# KiCad board ilwol.kicad_pcb
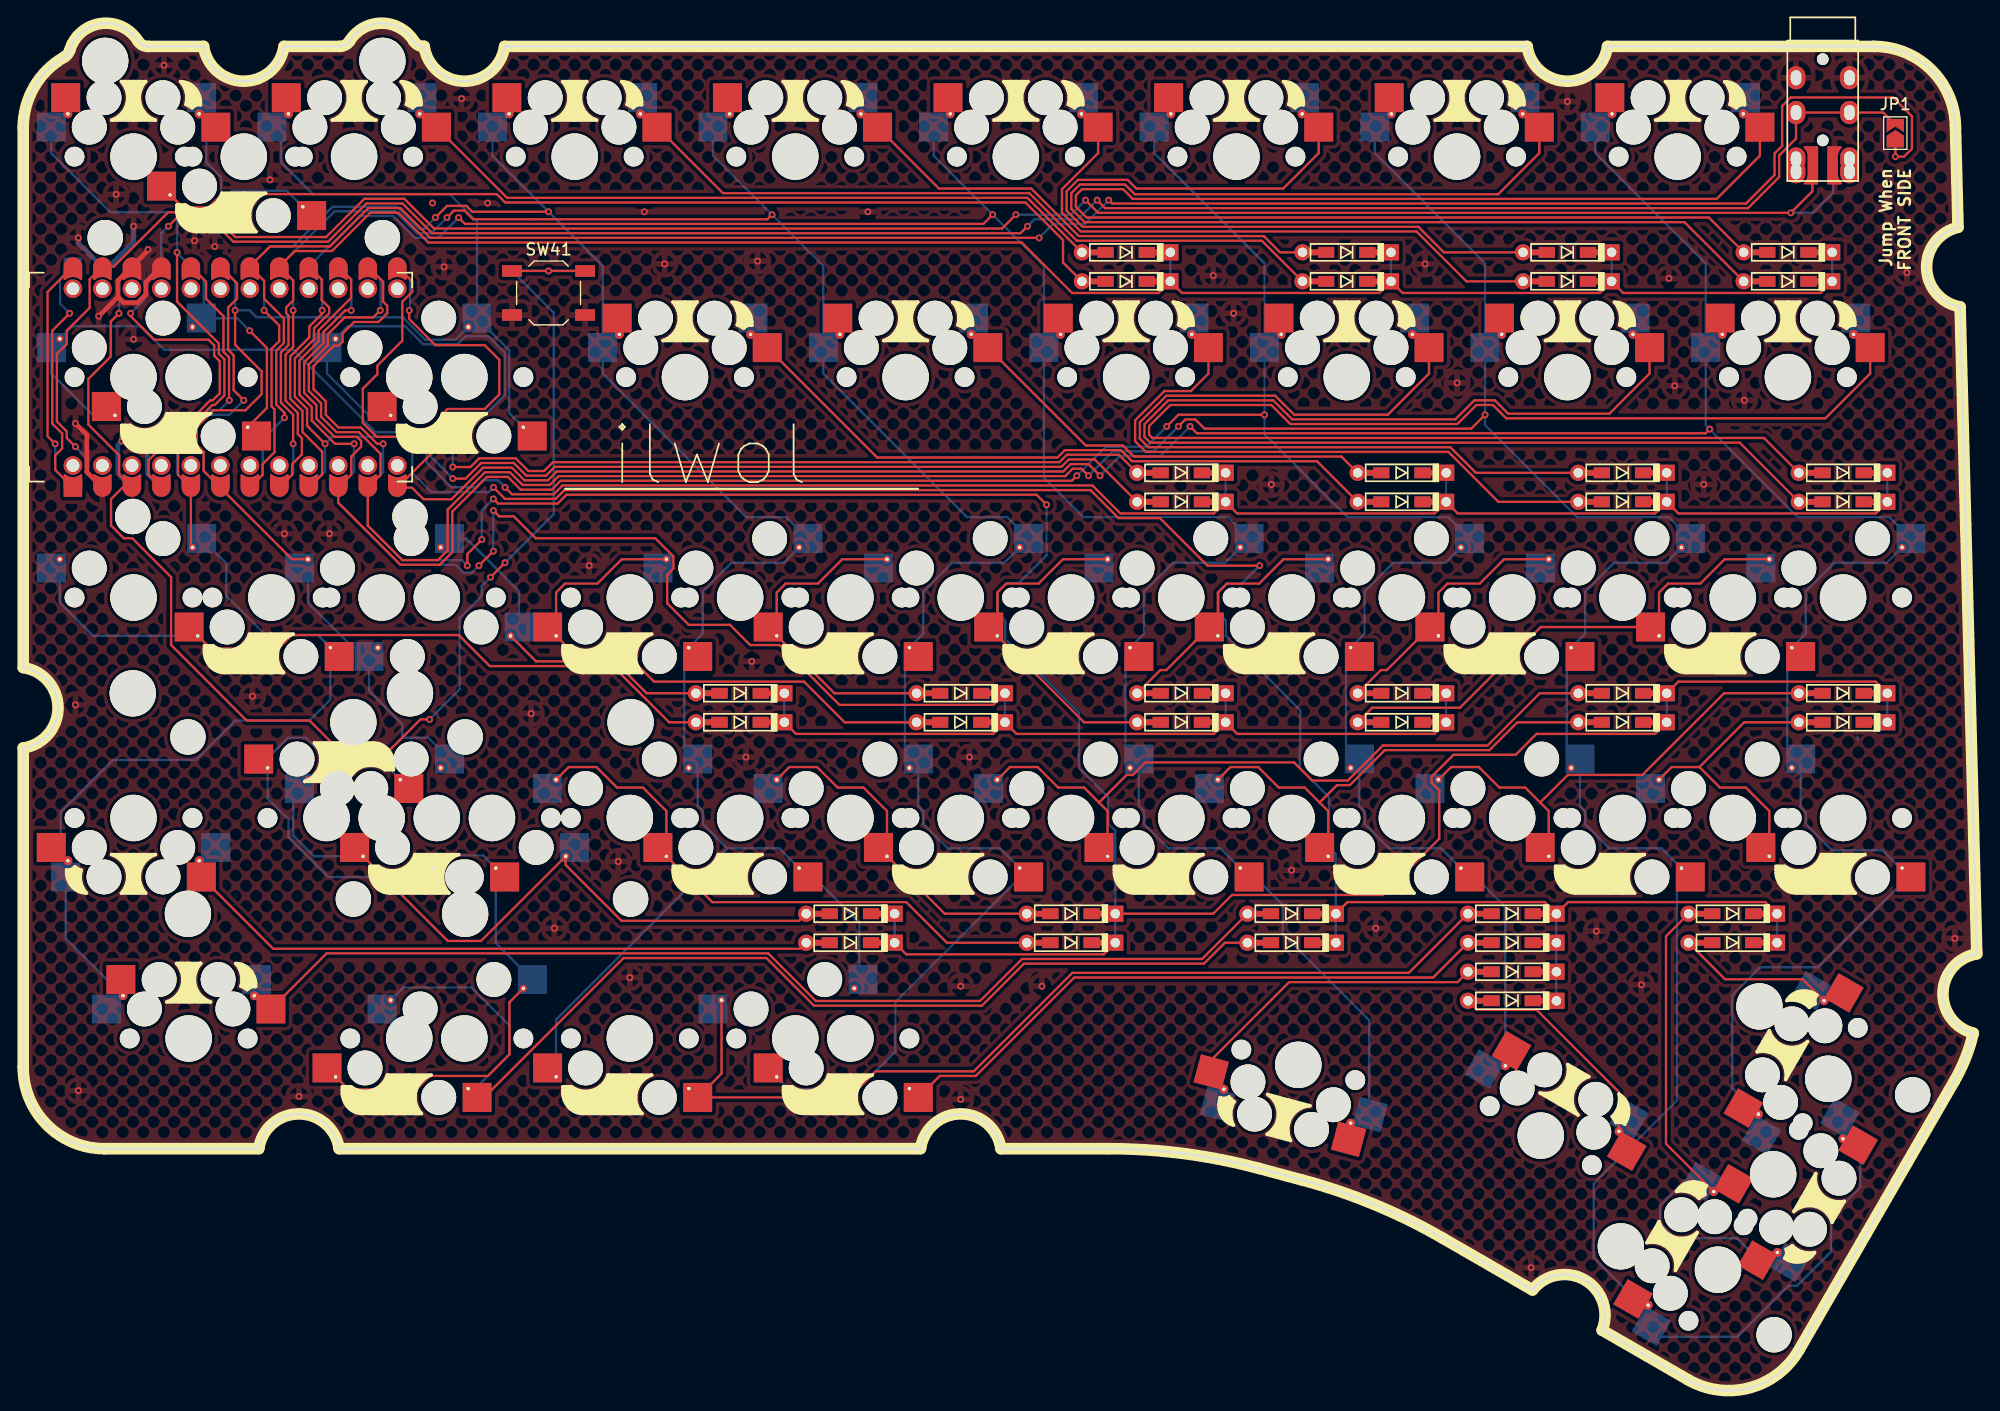
[diagram p0: board, top side]
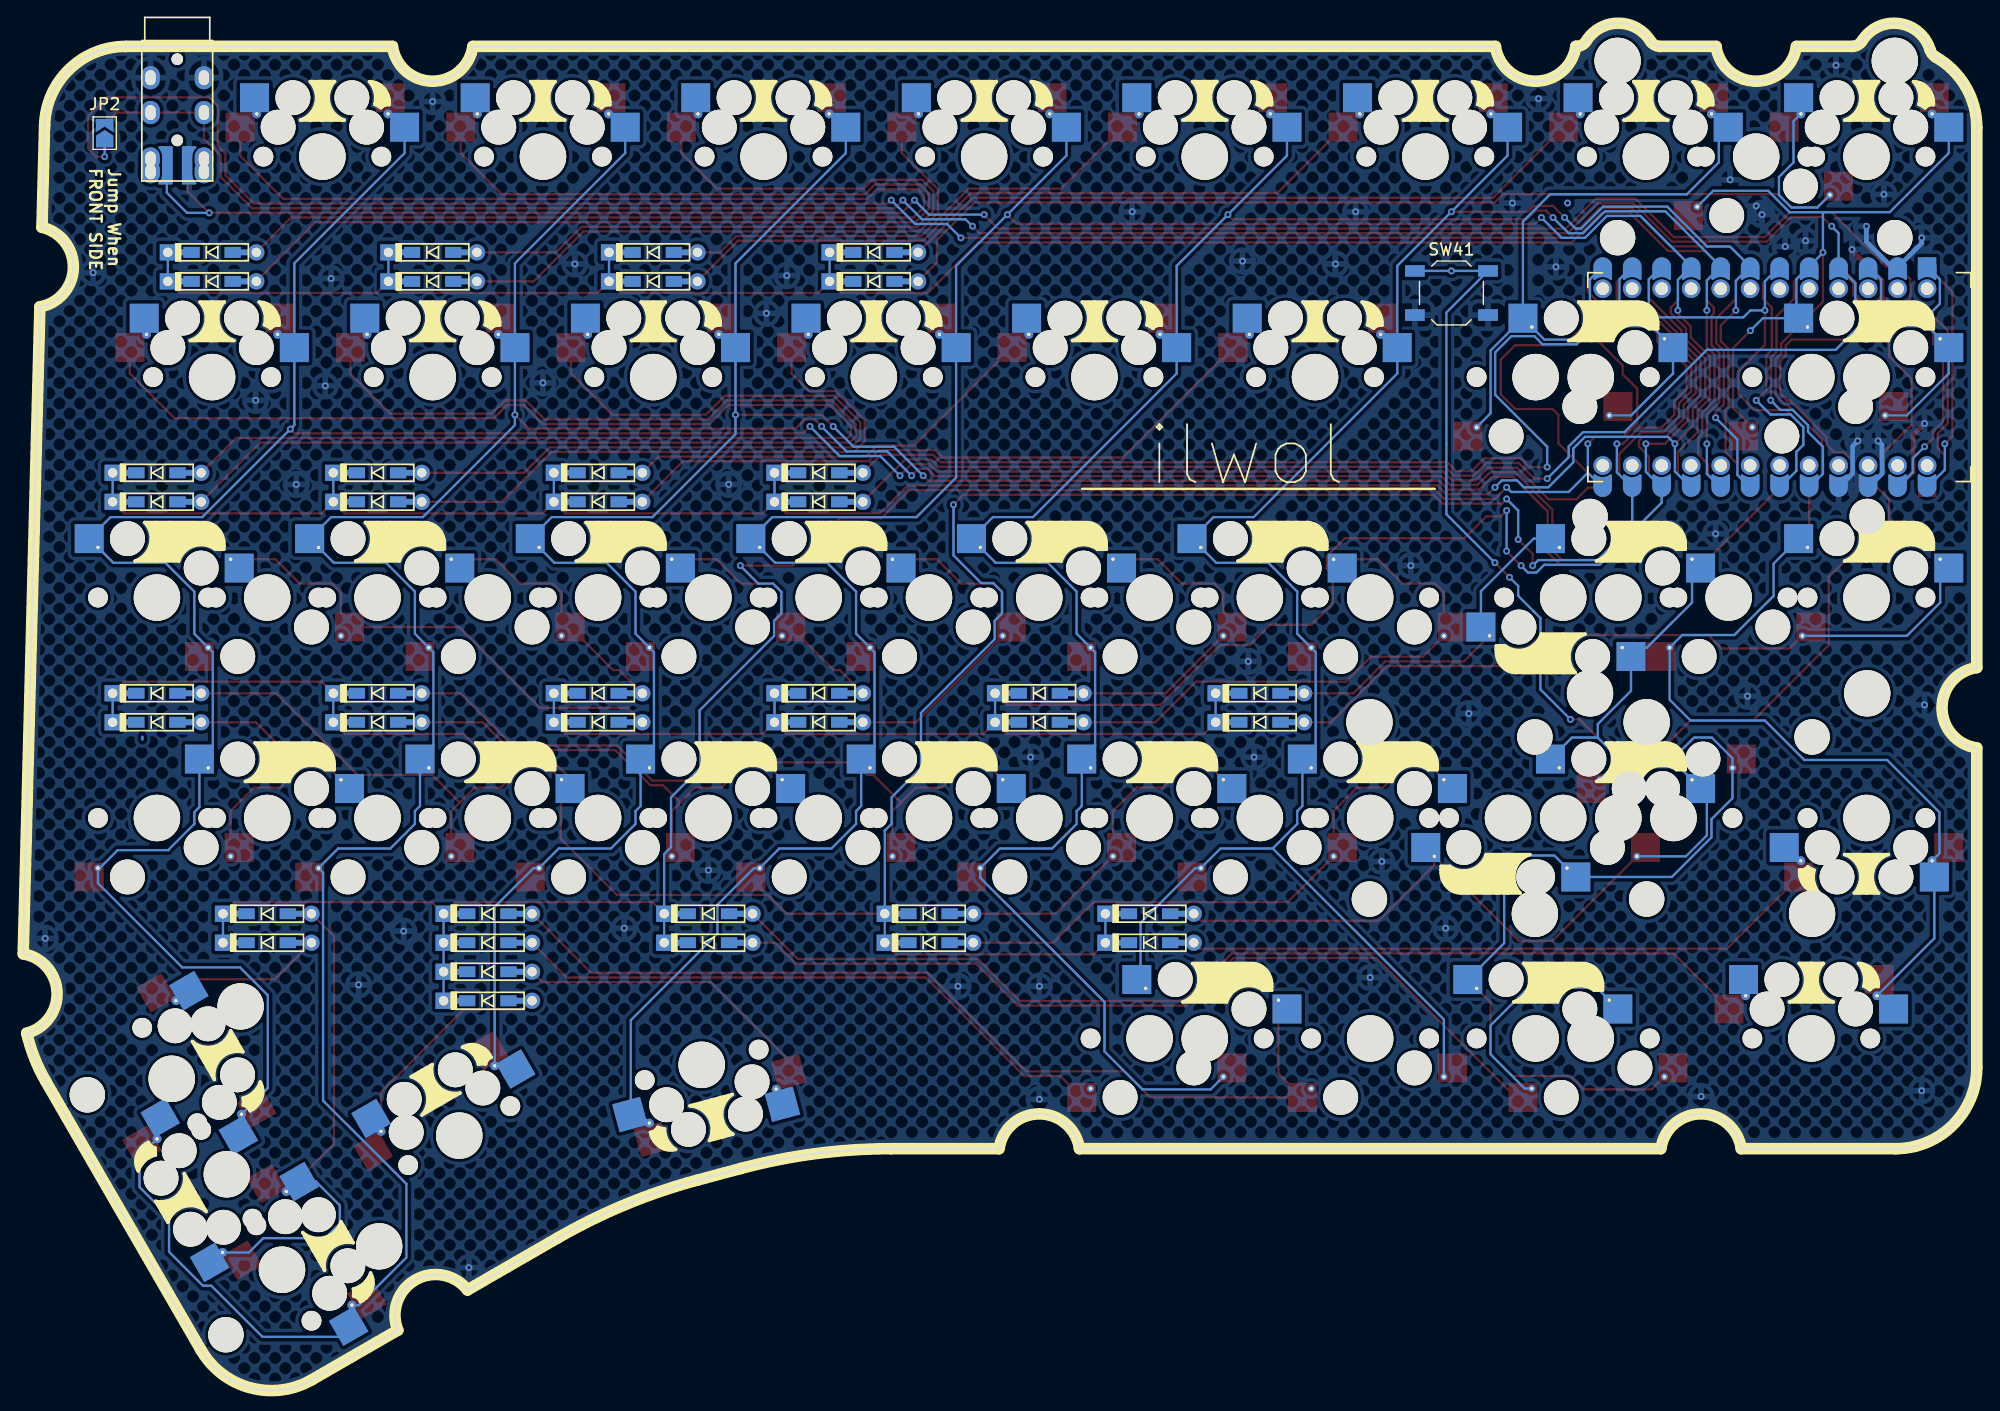
[diagram p1: board, bottom side, seen from below]

Outline 168.27 x 117.85 mm; copper layers: Top, Bottom. Coordinates in mm from the lower left corner of the outline.
Outline path: 0,108.85 0,62.31 arc(3,58.85) 0,55.38 0,27.85 arc(2.05,22.9) 7,20.85 20.29,20.85 arc(23.75,23.85) 27.21,20.85 77.29,20.85 arc(80.75,23.85) 84.21,20.85 93.51,20.85 arc(100.03,20.42) 106.45,19.14 110.19,18.14 arc(116.38,16.04) 122.25,13.15 130,8.67 arc(134.5,9.54) 136,5.21 143.39,0.94 arc(148.7,0.24) 152.95,3.5 166.34,26.69 arc(167.3,28.68) 167.96,30.8 arc(165.35,34.34) 168.27,37.64 166.83,93.4 arc(163.95,96.76) 166.65,100.26 166.43,109.03 arc(164.31,113.86) 159.43,115.85 136.46,115.85 arc(133,112.85) 129.54,115.85 41.46,115.85 arc(38,112.85) 34.54,115.85 34.48,115.85 arc(34,115.97) 33.63,116.32 arc(30.88,117.85) 28.12,116.32 arc(27.75,115.97) 27.27,115.85 22.46,115.85 arc(19,112.85) 15.54,115.85 10.73,115.85 arc(10.25,115.97) 9.88,116.32 arc(6.69,117.82) 4.01,115.52 arc(3.83,115.18) 3.54,114.93 arc(0.95,112.37) 0,108.85

## Placement (name value [footprint] x y rotation side)
D1  D  [Diode_TH_SMD_REVERSIBLE]  95 95.6 180 top
D2  D  [Diode_TH_SMD_REVERSIBLE]  95 98.1 180 top
D3  D  [Diode_TH_SMD_REVERSIBLE]  114 95.6 180 top
D4  D  [Diode_TH_SMD_REVERSIBLE]  114 98.1 180 top
D5  D  [Diode_TH_SMD_REVERSIBLE]  133 95.6 180 top
D6  D  [Diode_TH_SMD_REVERSIBLE]  133 98.1 180 top
D7  D  [Diode_TH_SMD_REVERSIBLE]  152 95.6 180 top
D8  D  [Diode_TH_SMD_REVERSIBLE]  152 98.1 180 top
D9  D  [Diode_TH_SMD_REVERSIBLE]  99.75 76.6 180 top
D10  D  [Diode_TH_SMD_REVERSIBLE]  99.75 79.1 180 top
D11  D  [Diode_TH_SMD_REVERSIBLE]  118.75 76.6 180 top
D12  D  [Diode_TH_SMD_REVERSIBLE]  118.75 79.1 180 top
D13  D  [Diode_TH_SMD_REVERSIBLE]  137.75 76.6 180 top
D14  D  [Diode_TH_SMD_REVERSIBLE]  137.75 79.1 180 top
D15  D  [Diode_TH_SMD_REVERSIBLE]  156.75 76.6 180 top
D16  D  [Diode_TH_SMD_REVERSIBLE]  156.75 79.1 180 top
D17  D  [Diode_TH_SMD_REVERSIBLE]  61.75 57.6 180 top
D18  D  [Diode_TH_SMD_REVERSIBLE]  61.75 60.1 180 top
D19  D  [Diode_TH_SMD_REVERSIBLE]  80.75 57.6 180 top
D20  D  [Diode_TH_SMD_REVERSIBLE]  80.75 60.1 180 top
D21  D  [Diode_TH_SMD_REVERSIBLE]  99.75 57.6 180 top
D22  D  [Diode_TH_SMD_REVERSIBLE]  99.75 60.1 180 top
D23  D  [Diode_TH_SMD_REVERSIBLE]  118.75 60.1 180 top
D24  D  [Diode_TH_SMD_REVERSIBLE]  118.75 57.6 180 top
D25  D  [Diode_TH_SMD_REVERSIBLE]  71.25 38.6 180 top
D26  D  [Diode_TH_SMD_REVERSIBLE]  71.25 41.1 180 top
D27  D  [Diode_TH_SMD_REVERSIBLE]  90.25 38.6 180 top
D28  D  [Diode_TH_SMD_REVERSIBLE]  90.25 41.1 180 top
D29  D  [Diode_TH_SMD_REVERSIBLE]  137.75 60.1 180 top
D30  D  [Diode_TH_SMD_REVERSIBLE]  137.75 57.6 180 top
D31  D  [Diode_TH_SMD_REVERSIBLE]  156.75 60.1 180 top
D32  D  [Diode_TH_SMD_REVERSIBLE]  156.75 57.6 180 top
D33  D  [Diode_TH_SMD_REVERSIBLE]  109.25 41.1 180 top
D34  D  [Diode_TH_SMD_REVERSIBLE]  109.25 38.6 180 top
D35  D  [Diode_TH_SMD_REVERSIBLE]  128.25 41.1 180 top
D36  D  [Diode_TH_SMD_REVERSIBLE]  128.25 38.6 180 top
D37  D  [Diode_TH_SMD_REVERSIBLE]  128.25 36.1 180 top
D38  D  [Diode_TH_SMD_REVERSIBLE]  128.25 33.6 180 top
D39  D  [Diode_TH_SMD_REVERSIBLE]  147.25 41.1 180 top
D40  D  [Diode_TH_SMD_REVERSIBLE]  147.25 38.6 180 top
J1  -  [TRRS-PJ-320A-ReversiblePad]  155 116.35 0 top
JP1  SolderJumper_2_Open  [SolderJumper-2_P1.3mm_Open_TrianglePad1.0x1.5mm]  161.25 108.37 90 top
JP2  SolderJumper_2_Open  [SolderJumper-2_P1.3mm_Open_TrianglePad1.0x1.5mm]  161.25 108.37 90 bottom
REF**  -  [StabilizerHole_2u]  19 106.35 180 top
REF**#2  -  [StabilizerHole_2u]  26.12 49.35 0 top
REF**#3  -  [StabilizerHole_2u]  40.38 49.35 180 top
REF**#4  -  [StabilizerHole_2u]  21.38 68.35 0 top
REF**#5  Val**  [MX_HotswapOneside_Via_Guided]  30.88 68.35 180 bottom
REF**#6  -  [StabilizerHole_2u]  150.73 18.64 60 bottom
SW1  SW_Push  [MX_HotswapOneside_Via_Guided]  19 106.35 180 top
SW1#2  SW_Push  [MX_Hotswap_FootprintPropertyFix_Guided]  9.5 106.35 0 top
SW2  SW_Push  [MX_Hotswap_FootprintPropertyFix_Guided]  28.5 106.35 0 top
SW3  SW_Push  [MX_Hotswap_FootprintPropertyFix_Guided]  47.5 106.35 0 top
SW4  SW_Push  [MX_Hotswap_FootprintPropertyFix_Guided]  66.5 106.35 0 top
SW5  SW_Push  [MX_Hotswap_FootprintPropertyFix_Guided]  85.5 106.35 0 top
SW6  SW_Push  [MX_Hotswap_FootprintPropertyFix_Guided]  104.5 106.35 0 top
SW7  SW_Push  [MX_Hotswap_FootprintPropertyFix_Guided]  123.5 106.35 0 top
SW8  SW_Push  [MX_Hotswap_FootprintPropertyFix_Guided]  142.5 106.35 0 top
SW9  SW_Push  [MX_HotswapOneside_Via_Guided]  14.25 87.35 180 top
SW9#2  SW_Push  [MX_HotswapOneside_Via_Guided]  9.5 87.35 180 bottom
SW10  SW_Push  [MX_HotswapOneside_Via_Guided]  38 87.35 180 top
SW10#2  SW_Push  [MX_HotswapOneside_Via_Guided]  33.25 87.35 180 bottom
SW11  SW_Push  [MX_Hotswap_FootprintPropertyFix_Guided]  57 87.35 0 top
SW12  SW_Push  [MX_Hotswap_FootprintPropertyFix_Guided]  76 87.35 0 top
SW13  SW_Push  [MX_Hotswap_FootprintPropertyFix_Guided]  95 87.35 0 top
SW14  SW_Push  [MX_Hotswap_FootprintPropertyFix_Guided]  114 87.35 0 top
SW15  SW_Push  [MX_Hotswap_FootprintPropertyFix_Guided]  133 87.35 0 top
SW16  SW_Push  [MX_Hotswap_FootprintPropertyFix_Guided]  152 87.35 0 top
SW17  SW_Push  [MX_HotswapOneside_Via_Guided]  21.38 68.35 180 top
SW17#2  SW_Push  [MX_HotswapOneside_Via_Guided]  9.5 68.35 180 bottom
SW18  SW_Push  [MX_HotswapOneside_Via_Guided]  35.62 68.35 0 bottom
SW19  SW_Push  [MX_HotswapOneside_Via_Guided]  52.25 68.35 180 top
SW19#2  SW_Push  [MX_HotswapOneside_Via_Guided]  61.75 68.35 180 bottom
SW20  SW_Push  [MX_HotswapOneside_Via_Guided]  71.25 68.35 180 top
SW20#2  SW_Push  [MX_HotswapOneside_Via_Guided]  80.75 68.35 180 bottom
SW21  SW_Push  [MX_HotswapOneside_Via_Guided]  90.25 68.35 180 top
SW21#2  SW_Push  [MX_HotswapOneside_Via_Guided]  99.75 68.35 180 bottom
SW22  SW_Push  [MX_HotswapOneside_Via_Guided]  109.25 68.35 180 top
SW22#2  SW_Push  [MX_HotswapOneside_Via_Guided]  118.75 68.35 180 bottom
SW23  SW_Push  [MX_HotswapOneside_Via_Guided]  128.25 68.35 180 top
SW23#2  SW_Push  [MX_HotswapOneside_Via_Guided]  137.75 68.35 180 bottom
SW24  SW_Push  [MX_HotswapOneside_Via_Guided]  147.25 68.35 180 top
SW24#2  SW_Push  [MX_HotswapOneside_Via_Guided]  156.75 68.35 180 bottom
SW25  SW_Push  [MX_Hotswap_FootprintPropertyFix_Guided]  9.5 49.35 0 bottom
SW26  SW_Push  [MX_HotswapOneside_Via_Guided]  35.62 49.35 180 top
SW26#2  SW_Push  [MX_HotswapOneside_Via_Guided]  26.12 49.35 0 top
SW26#3  SW_Push  [MX_HotswapOneside_Via_Guided]  30.88 49.35 180 bottom
SW26#4  SW_Push  [MX_HotswapOneside_Via_Guided]  40.38 49.35 0 bottom
SW27  SW_Push  [MX_HotswapOneside_Via_Guided]  61.75 49.35 180 top
SW27#2  SW_Push  [MX_HotswapOneside_Via_Guided]  52.25 49.35 180 bottom
SW28  SW_Push  [MX_HotswapOneside_Via_Guided]  80.75 49.35 180 top
SW28#2  SW_Push  [MX_HotswapOneside_Via_Guided]  71.25 49.35 180 bottom
SW29  SW_Push  [MX_HotswapOneside_Via_Guided]  99.75 49.35 180 top
SW29#2  SW_Push  [MX_HotswapOneside_Via_Guided]  90.25 49.35 180 bottom
SW30  SW_Push  [MX_HotswapOneside_Via_Guided]  118.75 49.35 180 top
SW30#2  SW_Push  [MX_HotswapOneside_Via_Guided]  109.25 49.35 180 bottom
SW31  SW_Push  [MX_HotswapOneside_Via_Guided]  137.75 49.35 180 top
SW31#2  SW_Push  [MX_HotswapOneside_Via_Guided]  128.25 49.35 180 bottom
SW32  SW_Push  [MX_HotswapOneside_Via_Guided]  156.75 49.35 180 top
SW32#2  SW_Push  [MX_HotswapOneside_Via_Guided]  147.25 49.35 180 bottom
SW33  SW_Push  [MX_Hotswap_FootprintPropertyFix_Guided]  14.25 30.35 0 top
SW34  SW_Push  [MX_HotswapOneside_Via_Guided]  33.25 30.35 180 top
SW34#2  SW_Push  [MX_HotswapOneside_Via_Guided]  38 30.35 180 bottom
SW35  SW_Push  [MX_HotswapOneside_Via_Guided]  52.25 30.35 180 top
SW35#2  SW_Push  [MX_HotswapOneside_Via_Guided]  66.5 30.35 180 bottom
SW36  SW_Push  [MX_HotswapOneside_Via_Guided]  71.25 30.35 180 top
SW37  SW_Push  [MX_Hotswap_FootprintPropertyFix_Guided]  109.83 28.07 165 top
SW38  SW_Push  [MX_Hotswap_FootprintPropertyFix_Guided]  130.71 21.97 330 top
SW39  SW_Push  [MX_Hotswap_FootprintPropertyFix_Guided]  145.98 10.42 60 top
SW39#2  SW_Push  [MX_Hotswap_FootprintPropertyFix_Guided]  150.73 18.64 240 top
SW40  SW_Push  [MX_Hotswap_FootprintPropertyFix_Guided]  155.48 26.87 60 top
SW41  SW_Push  [SW_SPST_TL3342]  45.25 94.6 0 top
SW41#2  SW_Push  [SW_SPST_TL3342]  45.25 94.6 180 bottom
U1  ProMicro  [ProMicro_ReveribleThru_ComponentUp_OuterPad]  18.25 87.35 0 top

## Library data of the parts
D1-D40 = -: Description: Diode; Sim.Pins: 1=K 2=A; ki_fp_filters: TO-???* *_Diode_* *SingleDiode* D_*
JP1 JP2 = -: Description: Solder Jumper, 2-pole, open; ki_fp_filters: SolderJumper*Open*
SW1 SW1#2 SW2-SW9 SW9#2 SW10 SW10#2 SW11-SW17 SW17#2 SW18 SW19 SW19#2 SW20 SW20#2 SW21 SW21#2 SW22 SW22#2 SW23 SW23#2 SW24 SW24#2 SW25 SW26 SW26#2-SW26#4 SW27 SW27#2 SW28 SW28#2 SW29 SW29#2 SW30 SW30#2 SW31 SW31#2 SW32 SW32#2 SW33 SW37-SW39 SW39#2 SW40 SW41 SW41#2 = -: Description: Push button switch, generic, two pins

## Footprints (pads in the part's own frame, mm; a bottom-side part is the same pattern mirrored in y, then rotated)
Diode_TH_SMD_REVERSIBLE
  rect 1.397x1.397 hole 0.813: 1(-3.81,0)
  rect 2x0.5 smd: 1(-2.75,0) 2(2.75,0)
  rect 2x0.5 smd far side: 1(-2.75,0) 2(2.75,0)
  rect 1.4x0.94 smd: 1(-1.775,0) 2(1.775,0)
  rect 1.4x0.94 smd far side: 1(-1.775,0) 2(1.775,0)
  round 1.397 hole 0.813: 2(3.81,0)
MX_Hotswap_FootprintPropertyFix_Guided
  round 1.702 hole 1.702 unplated: (-5.08,0) (5.08,0)
  round 3 hole 3 unplated: (-3.81,2.54) (-2.54,5.08) (2.54,5.08) (3.81,2.54)
  round 4 hole 4 unplated: (0,0)
  rect 2.5x2.5 smd far side: 1(-7.085,2.54) 2(5.842,5.08)
  rect 2.5x2.5 smd: 1(-5.842,5.08) 2(7.085,2.54)
  round 0.762 hole 0.3: 1(-5.652,3.683) 2(5.652,3.683)
MX_HotswapOneside_Via_Guided
  round 1.702 hole 1.702 unplated: (-5.08,0) (5.08,0)
  round 3 hole 3 unplated: (-2.54,5.08) (3.81,2.54)
  round 4 hole 4 unplated: (0,0)
  rect 2.5x2.5 smd: 1(-5.842,5.08) 2(7.085,2.54)
  round 0.6 hole 0.3: 1(-5.08,4.318) 2(6.35,3.302)
ProMicro_ReveribleThru_ComponentUp_OuterPad
  round 1.6 hole 1.1: (-13.97,7.62) (-13.97,-7.62) (-11.43,7.62) (-11.43,-7.62) (-8.89,7.62) (-8.89,-7.62) (-6.35,7.62) (-6.35,-7.62) (-3.81,7.62) (-3.81,-7.62) (-1.27,7.62) (-1.27,-7.62) (1.27,7.62) (1.27,-7.62) (3.81,7.62) (3.81,-7.62) (6.35,7.62) (6.35,-7.62) (8.89,7.62) (8.89,-7.62) (11.43,7.62) (11.43,-7.62) (13.97,7.62) (13.97,-7.62)
  custom 1.6x1.956 smd: 1(-13.97,9.525) 2(-11.43,9.525) 3(-8.89,9.525) 4(-6.35,9.525) 5(-3.81,9.525) 6(-1.27,9.525) 7(1.27,9.525) 8(3.81,9.525) 9(6.35,9.525) 10(8.89,9.525) 11(11.43,9.525) 12(13.97,9.525) 13(13.97,-9.525) 14(11.43,-9.525) 15(8.89,-9.525) 16(6.35,-9.525) 17(3.81,-9.525) 18(1.27,-9.525) 19(-1.27,-9.525) 20(-3.81,-9.525) 21(-6.35,-9.525) 22(-8.89,-9.525) 23(-11.43,-9.525) 24(-13.97,-9.525)
  custom 1.6x1.956 smd far side: 1(-13.97,-9.525) 2(-11.43,-9.525) 3(-8.89,-9.525) 4(-6.35,-9.525) 5(-3.81,-9.525) 6(-1.27,-9.525) 7(1.27,-9.525) 8(3.81,-9.525) 9(6.35,-9.525) 10(8.89,-9.525) 11(11.43,-9.525) 12(13.97,-9.525) 13(13.97,9.525) 14(11.43,9.525) 15(8.89,9.525) 16(6.35,9.525) 17(3.81,9.525) 18(1.27,9.525) 19(-1.27,9.525) 20(-3.81,9.525) 21(-6.35,9.525) 22(-8.89,9.525) 23(-11.43,9.525) 24(-13.97,9.525)
  rect 1.6x1.6 smd far side: 24(-13.97,9.525)
  rect 1.6x1.6 smd: 24(-13.97,-9.525)
SolderJumper-2_P1.3mm_Open_TrianglePad1.0x1.5mm
  custom 1.5x1.5 smd: 1(-0.725,0)
  custom 1.15x1.5 smd: 2(0.725,0)
StabilizerHole_2u
  round 3.048 hole 3.048 unplated: (-11.938,6.985) (11.938,6.985)
  round 3.988 hole 3.988 unplated: (-11.938,-8.255) (11.938,-8.255)
SW_SPST_TL3342
  rect 1.7x1 smd: 1(-3.15,1.9) 1(3.15,1.9) 2(-3.15,-1.9) 2(3.15,-1.9)
TRRS-PJ-320A-ReversiblePad
  oval 1.6x2 hole 0.9x1.3: (-2.3,-10.2) (-2.3,-11.3) (2.3,-10.2) (2.3,-11.3) R1(-2.3,-6.2) R1(2.3,-6.2) R2(-2.3,-3.2) R2(2.3,-3.2)
  round 1 hole 1 unplated: (0,-1.6) (0,-8.6)
  custom 1.245x3.3 smd far side: S(-0.9,-10.75) T(0.9,-10.75)
  custom 1.245x3.3 smd: S(0.9,-10.75) T(-0.9,-10.75)
